# Altium PCB WX0.012.299PCB-4.2(4).PcbDoc (part 3 of 3)
Units mm, origin at the board's own origin, x right, y up, seen from the top; angles counter-clockwise.
Board outline 134.25 x 181.85 mm, 4 copper layers (Top Layer, GND, POWER, Bottom Layer), stack 0.778 mm thick; 242 components, 152 nets, 754 pads, 835 vias.
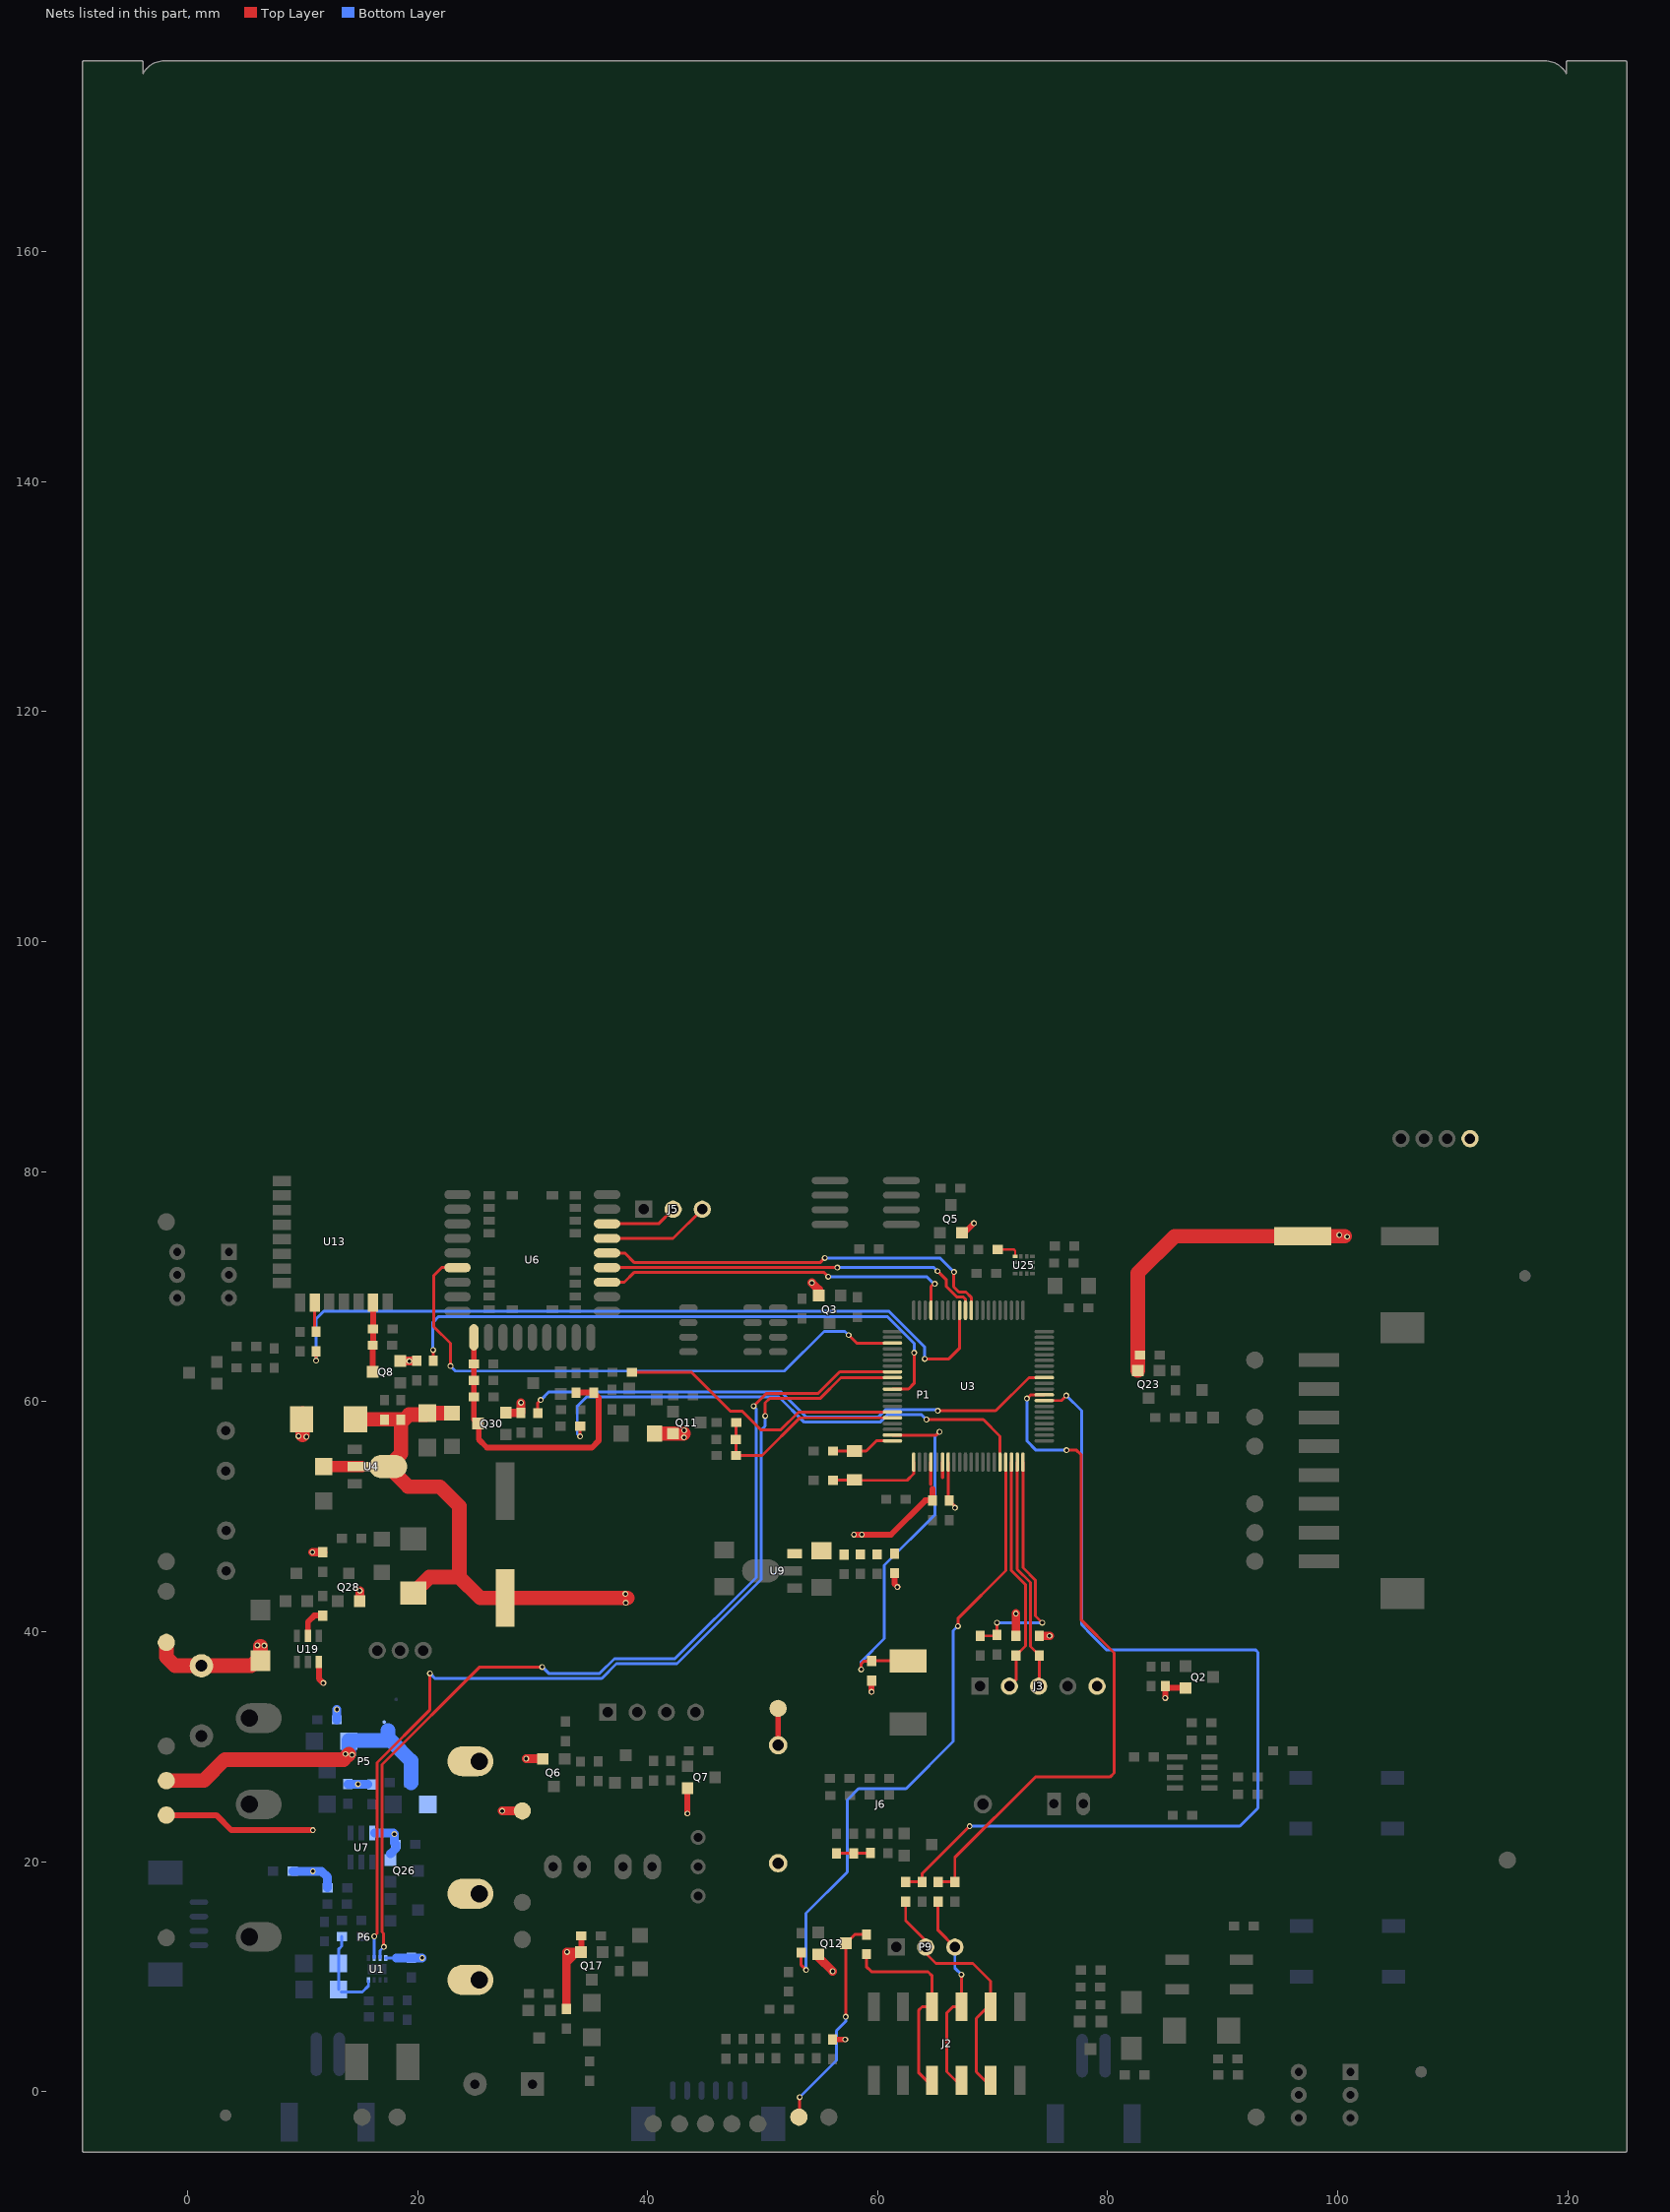
[diagram p5: the nets of this part, all layers, seen from the top]

## Via types
v1: diameter 0.508, hole 0.305, Top Layer to Bottom Layer, tented both sides, 835 vias

## Nets (pads, with @x,y where several pads share a name; then routed paths per layer and width w, separated by ;. In a path a pad name is that pad's centre, name@x,y a point inside that pad or via, vN(x,y) a via of type N, cw(c..) or ccw(c..) an arc to the next point about the centre after c; other vN are vias at no path point) (continued)
NetR33_1: R33.1 U3.32 | length 66.7
  Top Layer w0.254: v1(11.176,63.576) R33.1@11.176,64.389 ; v1(64.084,63.729) 66.19,63.729 67.133,64.671 U3.32@67.133,67.945 U3.32@67.118,67.96
  Bottom Layer w0.254: v1(11.176,63.576) 11.176,67.208 11.811,67.843 61.009,67.843 64.084,64.768 v1(64.084,63.729)
NetR56_2: R56.2 R57.1 R60.2 | length 2.9
  Top Layer w0.254: R56.2@56.416,20.726 R60.2@57.916,20.726 R57.1@59.36,20.726
NetR80_2: R80.2 R81.2 R82.2 U1.4 | length 7.7
  Bottom Layer w0.254: R81.2@13.132,8.89 13.132,12.37 13.411,12.649 R82.2@13.411,13.487 ; R81.2@13.358,8.663 15.191,8.663 15.735,9.207 U1.4@15.735,9.631
NetR99_2: R99.2 U19.2 | length 2.7
  Top Layer w0.508: U19.2@10.47,39.649 10.47,40.848 11.024,41.402 R99.2@11.76,41.402
NetR100_2: R100.2 U25.1 | length 2
  Top Layer w0.203: R100.2@70.447,73.228 71.844,73.228 71.958,73.115 U25.1@71.958,72.657
OPEN: U1.6 U3.49 | length 86.8
  Top Layer w0.254: v1(16.235,13.504) 16.485,13.753 16.485,28.625 21.077,33.217 v1(21.077,36.377) ; v1(50.216,58.75) 50.216,59.894 50.596,60.274 54.992,60.274 56.813,62.095 U3.49@61.283,62.095
  Bottom Layer w0.254: U1.6@16.235,11.618 v1(16.235,13.504) ; v1(21.077,36.377) 21.513,35.941 36.018,35.941 37.288,37.211 42.546,37.211 49.873,44.538 49.873,57.531 50.216,57.874 v1(50.216,58.75)
PGND: C67.1 C68.1 C69.2 C72.1 P6.2 P6.3 PGND.1 Q26.2 Q28.2 R120.1 R121.1 R122.1 U7.6 U19.6 | length 16
  Top Layer w0.508: U19.6@11.42,37.351 11.42,35.926 v1(11.811,35.535)
  Top Layer w0.762: v1(10.858,46.914) R121.1@11.76,46.914 ; Q28.2@14.971,42.666 v1(14.971,43.568) ; v1(27.356,24.409) PGND.1@29.108,24.409
  Bottom Layer w0.762: R122.1@9.144,19.168 v1@10.891,19.168 ; v1(10.897,19.168) 11.642,19.168 12.167,18.644 C69.2@12.167,17.729 ; C72.1@12.979,32.334 v1(12.979,33.236) ; C67.1@13.945,26.736 v1(14.821,26.736) C68.1@15.697,26.736 ; U7.6@16.281,22.504 17.882,22.504 v1(17.983,22.403) 17.983,21.641 R120.1@18.11,21.514 18.11,21.149 17.647,20.686
PWR_CTL: U3.43 U6.6@23.475,71.657 | length 51.3
  Top Layer w0.254: v1(22.86,63.094) 22.86,65.075 21.412,66.523 21.412,70.968 22.101,71.657 U6.6@23.475,71.657 ; v1(57.48,65.786) 58.171,65.095 U3.43@61.283,65.095
  Bottom Layer w0.254: v1(22.86,63.094) 23.292,62.662 51.892,62.662 55.347,66.116 57.15,66.116 v1(57.48,65.786)
RST: C33.2 R49.1 U3.80 | length 21.1
  Top Layer w0.254: R49.1@68.918,39.636 70.292,39.636 70.372,39.716 v1(70.372,40.779) ; U3.80@72.633,54.745 72.633,45.553 73.712,44.475 73.712,41.376 v1(74.309,40.779)
  Bottom Layer w0.254: v1(70.372,40.779) v1(74.309,40.779)
S+: C71.2 P5.1 P10.1 R117.1 R119.1 S+.1 | length 26.9
  Top Layer w1.27: S+.1@-1.841,27.047 1.418,27.047 3.251,28.88 13.564,28.88 14.024,29.34
  Bottom Layer w1.27: R119.1@14.021,30.48 14.021,30.277 14.024,30.274 14.024,29.34 ; R119.1@14.021,30.531 17.424,30.531 ; 17.424,31.42 17.424,30.531 ; C71.2@19.431,26.873 19.431,28.778 17.678,30.531 17.424,30.531
  other v1: 14.3,29.286 13.741,29.362
S_R: J5.2 U6.25@36.475,75.467 | length 6.3
  Top Layer w0.254: U6.25@36.475,75.467 40.948,75.467 J5.2@42.215,76.733
S_T: J5.3 U6.24@36.475,74.197 | length 9.3
  Top Layer w0.254: U6.24@36.475,74.197 42.218,74.197 J5.3@44.755,76.733
SLE_BUSY: U3.30 U6.23@36.475,72.927 | length 35.5
  Top Layer w0.254: U6.23@36.475,72.927 38.021,72.927 38.859,72.088 54.986,72.088 v1(55.397,72.5) ; v1(66.639,71.272) 66.599,71.232 66.599,69.992 67.058,69.532 67.681,69.532 68.133,69.08 U3.30@68.133,67.945
  Bottom Layer w0.254: v1(55.397,72.5) 65.411,72.5 v1(66.639,71.272)
SLE_DOUT: U3.31 U6.22@36.475,71.657 | length 33.6
  Top Layer w0.254: U6.22@36.475,71.657 v1(56.486,71.657) ; v1(65.207,71.349) 65.976,70.58 65.976,70.004 66.88,69.1 67.45,69.1 67.633,68.917 U3.31@67.633,67.945
  Bottom Layer w0.254: v1(56.486,71.657) 64.899,71.657 v1(65.207,71.349)
SLE_PWR: U3.37 U6.21@36.475,70.387 | length 31.6
  Top Layer w0.254: U6.21@36.475,70.387 37.976,70.387 38.814,71.225 55.353,71.225 v1(55.702,70.875) ; U3.37@64.633,67.945 64.633,70.018 v1@64.872,70.256
  Bottom Layer w0.254: v1(55.702,70.875) 64.253,70.875 v1@64.872,70.256
  other v1: 64.972,70.256
SLE_RST: R93.1 U3.76 | length 44.9
  Top Layer w0.254: v1(34.138,56.982) R93.1@34.138,57.871 ; v1(64.237,58.445) 69.19,58.445 70.633,57.002 U3.76@70.633,54.745
  Bottom Layer w0.254: v1(34.138,56.982) 33.884,57.236 33.884,59.611 34.698,60.426 51.41,60.426 53.618,58.217 60.214,58.217 60.855,58.857 63.825,58.857 v1(64.237,58.445)
SLEEP: U1.7 U3.48 | length 85
  Top Layer w0.254: v1@17.043,12.589 17.043,13.773 16.916,13.9 16.916,28.446 25.402,36.932 v1(30.836,36.932) ; v1(49.223,59.614) 50.315,60.706 54.813,60.706 56.703,62.595 U3.48@61.283,62.595
  Bottom Layer w0.254: U1.7@16.735,11.618 16.735,12.255 v1(17.069,12.589) ; v1(30.836,36.932) 31.394,36.373 35.839,36.373 37.109,37.643 42.367,37.643 49.441,44.717 49.441,59.395 v1(49.223,59.614)
STATE_BLE: R33.2 U13.10 | length 2.6
  Top Layer w0.254: U13.10@11.052,68.606 11.052,66.215 R33.2@11.176,66.091
SWCLK: J3.2 R39.2 U3.78 | length 20.6
  Top Layer w0.254: J3.2@71.451,35.254 72.023,35.826 72.023,37.934 72.848,38.759 72.848,44.094 71.633,45.309 U3.78@71.633,54.745
SWIO: J3.3 R40.2 U3.79 | length 20.2
  Top Layer w0.254: U3.79@72.133,54.745 72.133,45.419 73.28,44.272 73.28,38.709 74.055,37.934 J3.3@74.055,35.318
TEST_RXD0: J2.3 J2.4 P9.2 R103.1 | length 22
  Top Layer w0.254: R103.1@62.433,16.535 62.433,14.884 64.174,13.144 P9.2@64.174,12.572 64.174,12.052 65.075,11.151 68.275,11.151 69.82,9.606 69.82,7.615 68.58,6.375 68.58,1.717 J2.3@69.82,0.477
TEST_TXD0: J2.5 J2.6 P9.3 R101.1 | length 17.9
  Top Layer w0.254: R101.1@65.253,16.534 65.253,14.033 P9.3@66.714,12.572 ; J2.5@67.28,0.477 66.015,1.742 66.015,6.858 66.535,7.378 J2.6@67.28,7.378 ; J2.6@67.28,7.878 v1(67.28,10.181)
  Bottom Layer w0.254: P9.3@66.714,12.572 66.714,10.747 v1(67.28,10.181)
UMU_RXD0: C64.1 R103.2 U3.8 | length 86.1
  Top Layer w0.254: R103.2@62.433,18.237 63.869,18.237 C64.1@63.87,18.236 63.87,18.963 v1(67.996,23.089) ; U3.8@74.483,60.095 75.972,60.095 v1(76.404,60.527)
  Bottom Layer w0.254: v1(67.996,23.089) 91.493,23.089 93.066,24.662 93.066,38.201 92.863,38.404 79.91,38.404 78.258,40.056 ; v1(76.404,60.527) 77.725,59.206 77.725,40.623 78.258,40.089
UMU_TXD0: C66.1 R101.2 U3.9 | length 59.8
  Top Layer w0.254: R101.2@65.317,18.236 C66.1@66.714,18.236 66.714,20.369 73.7,27.356 80.188,27.356 80.556,27.724 80.556,38.162 77.673,41.045 77.673,55.397 77.292,55.778 v1(76.416,55.778) ; v1(72.975,60.273) 73.297,60.595 U3.9@74.483,60.595
  Bottom Layer w0.254: v1(72.975,60.273) 72.975,56.578 73.775,55.778 v1(76.416,55.778)
VCC: C11.1 C30.2 C49.2 C50.1 C52.1 C55.2 J3.5 P1.1 Q2.2 Q3.2 Q5.2 Q6.2 Q7.2 Q8.2 Q12.2 Q17.2 Q30.2 R14.1 R19.2 R35.1 R39.1 R40.1 R55.2 R87.2 R91.2 R97.1 R108.2 U1.8 U3.64 U3.66 U9.3 VCC.1 | length 57.3
  Top Layer w0.305: 64.633,52.8 U3.64@64.633,54.745 ; 65.633,53.441 U3.66@65.633,54.745
  Top Layer w0.508: VCC.1@-1.841,24.047 2.496,24.047 3.81,22.733 v1(10.897,22.733) ; Q17.2@34.239,12.183 R108.2@34.239,13.538 ; v1(43.466,24.186) Q7.2@43.466,26.389 ; R55.2@56.064,4.54 v1(57.182,4.54) ; v1(57.937,48.438) v1(58.623,48.438) 61.163,48.438 64.135,51.41 C30.2@64.77,51.41 64.77,52.424 ; v1(59.474,34.773) R97.1@59.474,35.738 ; Q5.2@67.321,74.694 67.544,74.694 v1(68.364,75.514) ; v1(85,34.238) R14.1@85,35.254 85.152,35.102 Q2.2@86.761,35.102
  Top Layer w0.762: Q8.2@18.497,63.536 v1(19.279,63.536) R35.1@19.928,63.536 ; Q30.2@27.673,59.023 R91.2@28.994,59.023 v1(28.994,59.912) ; v1(29.439,28.956) Q6.2@30.869,28.956 ; R19.2@32.944,7.188 v1@32.944,12.147 ; 32.974,11.288 Q17.2@33.833,12.147 ; v1(32.988,12.147) Q17.2@34.204,12.147 ; v1(54.28,70.333) 54.88,69.732 Q3.2@54.88,69.22 ; Q12.2@54.82,11.943 54.82,11.728 v1(56.083,10.465) ; R39.1@72.023,39.636 v1(72.023,41.568) ; R40.1@74.055,39.636 v1(74.944,39.636)
  Bottom Layer w0.254: U1.8@17.235,11.618 18.123,11.618 18.136,11.63
  Bottom Layer w0.762: 18.136,11.63 C11.1@19.456,11.63 v1(20.399,11.63)
VDD_BLE: C63.1 C65.1 Q8.3 U13.14 | length 6
  Top Layer w0.508: Q8.3@16.104,62.586 C63.1@16.104,64.922 ; C63.1@16.132,64.922 U13.14@16.132,68.606
VDD_BLE_CTL: R31.1 U3.51 | length 51.9
  Top Layer w0.254: R31.1@21.361,63.551 v1(21.361,64.491) ; U3.51@61.283,61.095 62.683,61.095 63.17,61.582 v1(63.17,64.262)
  Bottom Layer w0.254: v1@21.336,64.516 21.336,66.904 21.844,67.412 60.83,67.412 63.17,65.072 v1(63.17,64.262)
VDD_SLE: C81.1 C82.1 C83.1 Q30.3 R95.1 R96.1 U6.10@24.895,65.597 | length 25.4
  Top Layer w0.508: U6.10@24.895,65.597 C81.1@24.895,60.427 24.895,58.468 Q30.3@25.273,58.09 ; Q30.3@25.324,57.658 25.324,56.718 26.035,56.007 35.154,56.007 35.763,56.617 35.763,60.325 R96.1@35.306,60.782 R95.1@33.807,60.782
VDD_SLE_CTL: R92.1 U3.12 | length 47.7
  Top Layer w0.254: R92.1@30.455,59.004 30.455,59.893 v1(30.709,60.147) ; v1(65.227,59.207) 70.256,59.207 73.144,62.095 U3.12@74.483,62.095
  Bottom Layer w0.254: v1(30.709,60.147) 31.419,60.857 51.588,60.857 53.797,58.649 60.035,58.649 60.676,59.289 65.145,59.289 v1(65.227,59.207)
VIN: D10.2 D14.1 P2.1 Q11.2 TVS1.2 VIN.1 | length 15.4
  Top Layer w1.27: VIN.1@-1.841,39.064 -1.841,37.794 -1.079,37.032 P2.1@1.207,37.032 5.536,37.032 6.35,37.846 6.35,38.735 ; 9.994,57.121 D14.1@9.994,58.979 ; D10.2@40.596,57.226 Q11.2@42.217,57.226 43.106,57.226
  other v1: 6.68,38.786 6.071,38.811 43.157,56.896 10.338,56.947 9.652,56.998 43.182,57.506
VIN_ADC: C36.2 R67.2 R73.1 U3.56 | length 17.8
  Top Layer w0.254: C36.2@47.689,55.319 C36.2@47.701,55.319 ; R67.2@47.701,58.191 C36.2@47.701,55.319 ; U3.56@61.283,58.595 53.225,58.595 49.948,55.319 C36.2@47.701,55.319
VIN_CHECK_EN: R74.1 U3.55 | length 25.4
  Top Layer w0.254: R74.1@38.646,62.56 43.815,62.56 47.193,59.182 48.222,59.182 49.873,57.531 51.55,57.531 53.114,59.095 U3.55@61.283,59.095
VIN_NB: C23.1 C75.1 C77.1 C102.1 D14.2 D15.2 D41.2 Q23.2 R42.1 R85.1 R105.1 U4.2 | length 77.9
  Top Layer w1.016: R42.1@11.836,54.356 U4.2@15.178,54.356
  Top Layer w1.27: D14.2@14.605,58.471 C102.1@18.542,58.471 ; D15.2@19.634,43.358 21.031,44.755 23.622,44.755 ; D41.2@22.987,59.009 20.858,59.009 R105.1@20.853,59.004 20.714,58.864 19.24,58.864 18.555,58.179 18.555,55.468 U4.2@17.443,54.356 19.196,52.603 21.946,52.603 23.622,50.927 23.622,44.755 ; 38.252,42.924 C75.1@27.61,42.924 25.453,42.924 23.622,44.755 ; Q23.2@82.606,62.704 82.606,71.176 85.827,74.397 C77.1@96.95,74.397 v1@100.609,74.397
  other v1: 38.1,42.52 38.075,43.282 100.813,74.346 100.127,74.498
VRTC: C78.1 J6.1 R87.1 U3.67 VRTC.1 | length 8.7
  Top Layer w0.254: C78.1@66.133,51.359 U3.67@66.133,54.745 ; C78.1@66.218,51.397 66.726,50.889 v1(66.726,50.775)
  Top Layer w0.508: J6.1@51.345,30.13 VRTC.1@51.345,33.325 ; R87.1@61.468,45.089 61.468,44.145 v1(61.722,43.891)
WAKE: Q12.3 R104.2 WAKE.1 | length 18.9
  Top Layer w0.254: WAKE.1@53.15,-2.211 53.213,-2.148 v1(53.213,-0.483) ; v1(57.22,6.521) Q12.3@57.22,12.893 57.992,13.664 R104.2@59.017,13.664
  Bottom Layer w0.254: v1(53.213,-0.483) 56.42,2.724 56.42,5.302 57.22,6.103 v1(57.22,6.521)
WAKE_1: J2.7 J2.8 R104.1 | length 17.7
  Top Layer w0.254: R104.1@59.017,11.962 59.017,10.87 59.475,10.413 64.39,10.413 64.74,10.063 J2.8@64.74,7.878 ; J2.7@64.74,0.477 63.551,1.666 63.551,7.061 63.868,7.378 J2.8@64.74,7.378
WAKE_UP: R3.1 U3.77 | length 55.4
  Top Layer w0.254: R3.1@53.353,12.095 53.353,11.01 v1(53.772,10.592) ; v1(66.98,40.488) 66.98,41.143 71.133,45.296 U3.77@71.133,54.745
  Bottom Layer w0.254: v1(53.772,10.592) 53.772,15.519 57.353,19.101 57.353,25.367 58.326,26.34 62.466,26.34 66.573,30.447 66.573,40.081 v1(66.98,40.488)
X1: R97.2 S3.1 U3.59 | length 32.3
  Top Layer w0.254: v1(58.573,36.716) 58.573,37.224 58.788,37.44 R97.2@59.474,37.44 ; R97.2@59.499,37.465 S3.1@62.649,37.465 ; U3.59@61.283,57.095 65.084,57.095 v1(65.367,57.379)
  Bottom Layer w0.254: v1(58.573,36.716) 58.573,37.388 60.579,39.394 60.579,45.77 64.999,50.189 64.999,57.01 v1(65.367,57.379)
XT1: C22.2 U3.61 Y1.2 | length 8.3
  Top Layer w0.254: C22.2@56.162,53.201 Y1.2@57.989,53.201 57.989,53.161 62.561,53.161 63.133,53.733 U3.61@63.133,54.745
XT2: C20.2 U3.60 Y1.1 | length 5.5
  Top Layer w0.254: C20.2@56.122,55.701 Y1.1@57.989,55.701 59.003,55.701 59.897,56.595 U3.60@61.283,56.595
pads on no net: J1.3 J1.4 J2.1 J2.2 J4.7 J4.8 J11.1 MARK1.0 MARK1.1 MARK2.0 MARK2.1 MARK3.0 MARK3.1 P1.8 P3.3 P3.4 S1.3 S1.4 S1.5 S1.6 S2.1 S2.2 S2.3 S2.4 U3.10 U3.11 U3.17 U3.18 U3.20 U5.2 U5.4 U5.5 U6.1 U6.2@23.875,76.737 U6.2@35.525,79.047 U6.3 U6.4 U6.5 U6.6@23.875,71.657 U6.7 U6.8 U6.9 U6.10@24.895,65.997 U6.11@26.165,65.997 U6.12@27.435,65.997 U6.13 U6.14 U6.15 U6.16 U6.17@33.785,65.997 U6.18@35.055,65.997 U6.19 U6.20 U6.21@36.075,70.387 U6.22@36.075,71.657 U6.23@36.075,72.927 U6.24@36.075,74.197 U6.25@36.075,75.467 U6.26@36.075,76.737 U6.27 U6.28 U6.32 U6.34 U6.35 U6.36 U6.37 U6.39 U6.40 U6.41 U6.42 U6.43 U6.44 U6.45 U6.46 U6.47 U13.2 U13.3 U13.4 U13.5 U13.6 U13.7 U13.12 U13.13 U14.4 U14.7 U19.4 U25.4 U25.6 U25.10 U25.11

## Polygon pours and split planes (outlines as drawn)
GND on Top Layer "Top Layer-No Net" (solid, remove dead copper, pour order 19): -9,-5.259 -4,-5.259 ccw(c-4,-5.132) -3.997,-5.259 ccw(c-4,-5.132) -3.997,-5.259 -3.998,-5.259 cw(c-4,-5.132) -4,-5.259 120,-5.259 125,-5.259 ccw(c125,-5.132) 125.127,-5.132 ccw(c125,-5.132) 125.127,-5.132 125.127,176.468 ccw(c125,176.468) 124.998,176.596 120.003,176.596 ccw(c120,176.468) 119.91,176.558 ccw(c120,176.468) 119.873,176.465 119.873,175.478 ccw(c118,174.468) 118,176.596 -2,176.596 ccw(c-2,174.468) -3.873,175.478 -3.873,176.468 ccw(c-4,176.468) -4,176.596 -8.998,176.596 ccw(c-9,176.468) -9.127,176.468 -9.127,-5.132 cw(c-9.026,-5.132) -9.127,-5.132 ccw(c-9,-5.132)
GND on Bottom Layer "Top Layer-No Net1" (solid, remove dead copper, pour order 20): -9,-5.259 -4,-5.259 ccw(c-4,-5.132) -3.997,-5.259 ccw(c-4,-5.132) -3.997,-5.259 -3.998,-5.259 cw(c-4,-5.132) -4,-5.259 120,-5.259 125,-5.259 ccw(c125,-5.132) 125.127,-5.132 ccw(c125,-5.132) 125.127,-5.132 125.127,176.468 ccw(c125,176.468) 124.998,176.596 120.003,176.596 ccw(c120,176.468) 119.91,176.558 ccw(c120,176.468) 119.873,176.465 119.873,175.478 ccw(c118,174.468) 118,176.596 -2,176.596 ccw(c-2,174.468) -3.873,175.478 -3.873,176.468 ccw(c-4,176.468) -4,176.596 -8.998,176.596 ccw(c-9,176.468) -9.127,176.468 -9.127,-5.132 cw(c-9.026,-5.132) -9.127,-5.132 ccw(c-9,-5.132)
no net on GND (split plane): 27.963,39.543 27.963,9.479 26.132,7.648 5.389,7.648 3.965,9.072 3.965,33.447 7.471,36.954 7.512,37.007 7.537,37.068 7.546,37.135 7.546,43.637 7.546,45.309 9.758,47.521 19.985,47.521
GND on GND (split plane): 118.325,176.056 118.535,175.998 118.735,175.912 118.922,175.801 119.093,175.665 119.243,175.508 119.372,175.331 119.423,175.235 119.437,175.215 119.448,175.194 119.465,175.174 119.479,175.152 119.496,175.135 119.512,175.117 119.532,175.1 119.55,175.082 119.57,175.069 119.589,175.053 119.612,175.041 119.634,175.027 119.656,175.017 119.677,175.006 119.702,174.998 119.726,174.989 119.75,174.984 119.773,174.977 119.799,174.974 119.824,174.969 119.849,174.97 119.873,174.967 119.899,174.97 119.925,174.97 119.948,174.975 119.972,174.977 119.997,174.985 120.023,174.99 120.045,174.999 120.068,175.006 120.091,175.018 120.115,175.028 120.135,175.042 120.156,175.053 120.176,175.07 120.198,175.084 120.215,175.101 120.234,175.117 120.25,175.137 120.268,175.155 120.282,175.175 120.297,175.194 120.309,175.217 120.324,175.239 120.333,175.261 120.344,175.282 120.352,175.307 120.362,175.331 120.366,175.355 120.373,175.378 120.376,175.404 120.381,175.429 120.381,175.454 120.383,175.478 120.383,176.085 124.617,176.085 124.617,-4.749 120,-4.749 -4,-4.749 -8.617,-4.749 -8.617,176.085 -4.383,176.085 -4.383,175.478 -4.381,175.454 -4.381,175.429 -4.376,175.404 -4.373,175.378 -4.366,175.355 -4.362,175.331 -4.352,175.307 -4.344,175.282 -4.333,175.261 -4.324,175.239 -4.309,175.217 -4.297,175.194 -4.282,175.175 -4.268,175.155 -4.25,175.137 -4.234,175.117 -4.215,175.101 -4.198,175.084 -4.176,175.07 -4.156,175.053 -4.135,175.042 -4.115,175.028 -4.091,175.018 -4.068,175.006 -4.045,174.999 -4.023,174.99 -3.997,174.985 -3.972,174.977 -3.948,174.975 -3.924,174.97 -3.898,174.97 -3.873,174.967 -3.849,174.97 -3.824,174.97 -3.799,174.974 -3.773,174.977 -3.75,174.984 -3.726,174.989 -3.702,174.999 -3.677,175.006 -3.656,175.017 -3.634,175.027 -3.612,175.041 -3.589,175.053 -3.57,175.069 -3.55,175.082 -3.532,175.1 -3.512,175.117 -3.496,175.135 -3.479,175.152 -3.465,175.174 -3.448,175.194 -3.437,175.215 -3.423,175.235 -3.372,175.331 -3.243,175.508 -3.093,175.665 -2.922,175.801 -2.735,175.912 -2.535,175.998 -2.325,176.056 -2.109,176.085 118.109,176.085
no net on POWER (split plane): 101.42,77.186 101.42,73.842 99.792,72.214 77.228,72.214 77.228,75.371 77.219,75.438 77.193,75.499 77.153,75.552 76.425,76.28 76.372,76.32 76.311,76.346 76.244,76.355 70.49,76.355 70.057,76.788 70.003,76.828 69.942,76.854 69.875,76.863 58.547,76.863 58.481,76.854 58.419,76.828 58.366,76.788 52.778,71.2 52.737,71.146 52.712,71.085 52.703,71.018 52.703,52.654 52.703,45.877 45.868,39.042 38.536,39.042 37.493,40.086 37.493,43.785 38.714,45.007 44.577,45.007 44.643,45.015 44.705,45.041 44.758,45.082 48.187,48.511 48.228,48.564 48.243,48.6 48.253,48.625 48.262,48.692 48.262,72.919 55.097,79.754 98.852,79.754
no net on POWER (split plane): 96.823,63.749 96.823,61.142 96.007,60.327 87.033,60.327 86.967,60.318 86.905,60.293 86.852,60.252 84.971,58.371 83.113,58.371 82.298,59.187 82.298,61.235 86.034,64.971 95.601,64.971
no net on POWER (split plane): 76.715,75.265 76.715,72.026 76.715,72.025 76.706,71.958 76.715,71.892 76.715,71.89 76.715,68.356 73.136,64.777 73.095,64.724 73.07,64.662 73.061,64.595 73.061,49.713 73.044,49.673 73.035,49.606 73.044,49.54 73.07,49.478 73.11,49.425 76.057,46.479 76.11,46.438 76.128,46.43 76.172,46.412 76.238,46.404 89.073,46.404 92.733,42.744 92.733,35.971 91.943,35.181 88.244,35.181 87.467,35.958 87.467,41.072 87.458,41.138 87.433,41.2 87.392,41.253 85.766,42.879 85.713,42.919 85.652,42.945 85.585,42.954 77.432,42.954 77.365,42.945 77.323,42.927 70.363,42.927 68.049,45.241 68.049,65.099 68.049,67.461 68.049,67.97 68.04,68.036 68.028,68.067 68.015,68.098 67.974,68.151 67.16,68.966 67.16,72.512 70.49,75.842 76.138,75.842
no net on POWER (split plane): 174 vertices, not listed, extent 9.896,2.822 112.635,83.944
no net on POWER (split plane): 67.537,45.135 67.537,44.658 53.819,30.941 53.779,30.887 53.753,30.826 53.744,30.759 53.744,20.248 52.167,18.671 50.474,18.671 49.304,19.842 49.304,34.692 67.537,52.925
no net on POWER (split plane): 44.473,57.603 44.473,55.021 42.617,53.164 29.82,53.164 29.753,53.156 29.692,53.13 29.638,53.089 27.276,50.727 27.236,50.674 27.21,50.612 27.201,50.546 27.201,45.496 21.662,39.956 13.741,39.956 13.675,39.948 13.613,39.922 13.56,39.881 9.555,35.876 9.531,35.866 6.203,35.866 5.146,36.923 5.146,38.531 5.146,41.004 6.379,42.237 8.514,44.372 20.142,44.372 20.209,44.38 20.27,44.406 20.323,44.447 23.397,47.52 23.437,47.573 23.452,47.609 23.463,47.635 23.472,47.701 23.472,50.521 23.463,50.587 23.437,50.649 23.397,50.702 21.873,52.226 21.82,52.266 21.758,52.292 21.692,52.301 8.818,52.301 8.156,52.964 8.156,57.171 9.149,58.164 43.912,58.164
no net on POWER (split plane): 32.942,43.82 22.805,33.683 9.896,33.683 9.896,35.492 13.848,39.444 21.768,39.444 21.834,39.453 21.896,39.478 21.949,39.519 27.639,45.209 27.679,45.262 27.694,45.298 27.705,45.323 27.714,45.39 27.714,50.44 29.926,52.652 32.942,52.652
GND on POWER (split plane): 118.325,176.056 118.535,175.998 118.735,175.912 118.922,175.801 119.093,175.665 119.243,175.508 119.372,175.331 119.423,175.235 119.437,175.215 119.448,175.194 119.465,175.174 119.479,175.152 119.496,175.135 119.512,175.117 119.532,175.1 119.55,175.082 119.57,175.069 119.589,175.053 119.612,175.041 119.634,175.027 119.656,175.017 119.677,175.006 119.702,174.998 119.726,174.989 119.75,174.984 119.773,174.977 119.799,174.974 119.824,174.969 119.849,174.97 119.873,174.967 119.899,174.97 119.925,174.97 119.948,174.975 119.972,174.977 119.997,174.985 120.023,174.99 120.045,174.999 120.068,175.006 120.091,175.018 120.115,175.028 120.135,175.042 120.156,175.053 120.176,175.07 120.198,175.084 120.215,175.101 120.234,175.117 120.25,175.137 120.268,175.155 120.282,175.175 120.297,175.194 120.309,175.217 120.324,175.239 120.333,175.261 120.344,175.282 120.352,175.307 120.362,175.331 120.366,175.355 120.373,175.378 120.376,175.404 120.381,175.429 120.381,175.454 120.383,175.478 120.383,176.085 124.617,176.085 124.617,-4.749 120,-4.749 -4,-4.749 -8.617,-4.749 -8.617,176.085 -4.383,176.085 -4.383,175.478 -4.381,175.454 -4.381,175.429 -4.376,175.404 -4.373,175.378 -4.366,175.355 -4.362,175.331 -4.352,175.307 -4.344,175.282 -4.333,175.261 -4.324,175.239 -4.309,175.217 -4.297,175.194 -4.282,175.175 -4.268,175.155 -4.25,175.137 -4.234,175.117 -4.215,175.101 -4.198,175.084 -4.176,175.07 -4.156,175.053 -4.135,175.042 -4.115,175.028 -4.091,175.018 -4.068,175.006 -4.045,174.999 -4.023,174.99 -3.997,174.985 -3.972,174.977 -3.948,174.975 -3.924,174.97 -3.898,174.97 -3.873,174.967 -3.849,174.97 -3.824,174.97 -3.799,174.974 -3.773,174.977 -3.75,174.984 -3.726,174.989 -3.702,174.999 -3.677,175.006 -3.656,175.017 -3.634,175.027 -3.612,175.041 -3.589,175.053 -3.57,175.069 -3.55,175.082 -3.532,175.1 -3.512,175.117 -3.496,175.135 -3.479,175.152 -3.465,175.174 -3.448,175.194 -3.437,175.215 -3.423,175.235 -3.372,175.331 -3.243,175.508 -3.093,175.665 -2.922,175.801 -2.735,175.912 -2.535,175.998 -2.325,176.056 -2.109,176.085 118.109,176.085
no net on POWER (split plane): 22.959,50.414 22.959,47.807 20.036,44.884 8.407,44.884 8.341,44.875 8.279,44.85 8.226,44.809 6.016,42.599 4.709,41.292 4.668,41.239 4.643,41.177 4.634,41.11 4.634,38.531 4.634,36.817 4.643,36.75 4.668,36.689 4.709,36.636 5.916,35.429 5.969,35.388 6.013,35.37 6.031,35.362 6.097,35.354 9.384,35.354 9.384,10.147 9.392,10.08 9.418,10.019 9.459,9.966 10.817,8.607 10.87,8.567 10.932,8.541 10.998,8.532 21.41,8.532 21.41,4.983 20.29,3.863 4.272,3.863 -0.328,8.463 -0.328,48.89 2.57,51.788 21.585,51.788

## Keep-outs
Keep-Out Layer:
  circle w0.254: c41.502,96.6 r2.1
  circle w0.254: c81.95,110.218 r2.5
  circle w0.254: c0,172.468 r1.5
  circle w0.254: c0,91.6 r1.5
  circle w0.254: c111.502,91.6 r1.5
  circle w0.254: c116,172.468 r1.5
  circle w0.254: c41.502,5 r2.1
  circle w0.254: c81.95,18.618 r2.5
  circle w0.254: c0,80.868 r1.5
  circle w0.254: c0,0 r1.5
  circle w0.254: c111.502,0 r1.5
  circle w0.254: c116,80.868 r1.5
  circle w0.254: c41.502,5 r2.1
  circle w0.254: c81.95,18.618 r2.5
  circle w0.254: c0,80.868 r1.5
  circle w0.254: c0,0 r1.5
  circle w0.254: c111.502,0 r1.5
  circle w0.254: c116,80.868 r1.5
  circle w0.127: c1.349,62.52 r0.3
  lines w0.254: 118,86.468 -4,86.468 ; -4,-5.132 -9,-5.132 -9,176.468 -4,176.468 -4,-5.132 ; -4,-5.132 -4,82.868 ; -4,-5.132 120,-5.132 ; -4,-5.132 -4,82.868 ; -4,-5.132 120,-5.132 ; -4,82.868 cw(c-2,82.868) -2,84.868 ; -4,82.868 cw(c-2,82.868) -2,84.868 ; -4,86.468 -4,174.468 cw(c-2,174.468) -2,176.468 118,176.468 cw(c118,174.468) 120,174.468 120,112.718 119.65,112.718 ccw(c119.65,110.218) 119.65,107.718 120,107.718 120,86.468 -4,86.468 ; -2,84.868 118,84.868 ; -2,84.868 118,84.868 ; 118,84.868 cw(c118,82.868) 120,82.868 ; 118,84.868 cw(c118,82.868) 120,82.868 ; 119.65,16.118 cw(c119.65,18.618) 119.65,21.118 ; 119.65,16.118 cw(c119.65,18.618) 119.65,21.118 ; 119.65,16.118 120,16.118 ; 119.65,16.118 120,16.118 ; 119.65,21.118 120,21.118 ; 119.65,21.118 120,21.118 ; 120,-5.132 125,-5.132 125,176.468 120,176.468 120,-5.132 ; 120,-5.132 120,16.118 ; 120,-5.132 120,16.118 ; 120,21.118 120,82.868 ; 120,21.118 120,82.868

## Other copper
Top Layer:
  region net 5V: 20.777,50.952 14.656,50.952 14.656,46.992 20.777,46.992
  region net NetQ28_3: 8.661,45.669 8.661,44.399 14.707,44.399 14.707,45.669
  region net NB_VIN1: 84.775,59.422 84.775,61.2 83.023,61.2 83.023,59.422
  region net NB_VIN1: 96.596,60.242 100.66,60.242 100.66,63.881 100.057,64.484 94.898,64.484 94.572,64.159 94.572,63.498 94.871,63.2 95.669,63.2 96.596,62.273
  pour cut-out: 2.819,84.861 2.819,79.697 42.887,79.697 42.887,84.861
  region net NetC18_1: 52.147,68.401 52.655,68.401 53.29,67.766 56.338,67.766 56.465,67.639 56.465,66.369 56.338,66.242 52.528,66.242 52.147,66.623
  region net VCC: 64.681,53.657 65.634,53.657 65.786,53.505 65.786,52.654 65.456,52.324 64.592,52.324 64.465,52.451 64.465,53.442
  region net VCC: 52.919,46.26 59.498,46.26 61.86,46.261 61.987,46.387 61.987,48.902 61.682,48.902 57.949,48.902 56.831,47.784 53.388,47.784 52.767,47.163 52.767,46.413
Bottom Layer:
  region net 5V: 21.449,8.686 18.644,8.686 18.644,7.341 21.449,7.341
  region net NetQ26_3: 20.65,21.996 19.38,21.996 19.38,15.291 20.65,15.291
  rectangle net NetP5_2: 4.343,11.989 8.077,33.757
  region net NetD41_1: 17.539,34.023 18.313,34.023 18.313,35.636 18.136,35.814 17.45,35.814 17.221,35.585 17.221,34.341
  region net S+: 16.739,32.007 16.922,32.19 17.695,32.19 18.085,31.801 18.085,30.629 17.882,30.426 15.899,30.426 15.899,31.167
  pour cut-out: 2.819,84.861 2.819,79.697 42.887,79.697 42.887,84.861
  region net NetP5_2: 12.929,28.753 12.929,27.178 8.585,27.178 6.286,24.879 6.274,27.076 7.95,28.753 8.382,28.753
  region net NetC72_2: 11.777,34.604 10.677,35.704 10.218,35.704 10.218,30.599 10.643,30.175 11.796,30.175
  region net NetC68_2: 18.194,24.172 16.425,24.172 15.325,23.072 14.867,23.072 14.867,25.314 15.325,25.772 18.194,25.772
  region net NetC67_2: 10.94,24.223 12.861,24.223 13.961,23.123 14.42,23.123 14.42,25.364 13.961,25.823 10.94,25.823
  pour cut-out: 16.459,19.465 16.459,23.063 13.715,23.063 13.715,19.465
  region net PGND: 17.145,19.634 17.145,21.539 16.536,22.148 16.536,22.885 18.11,22.885 18.567,22.428 18.567,19.634
  region net S+: 19.73,28.32 21.844,26.206 21.844,24.105 20.21,24.105 20.015,24.299 20.015,25.298 18.796,26.518 18.796,28.32 19.478,28.32
  region net S+: 21.844,24.105 22.11,24.105 26.137,28.131 26.137,29.626 24.816,29.626 22.749,27.559 20.434,27.559 19.723,27.559 19.444,27.28 19.444,26.556
GND (plane layer: these items are gaps in the copper):
  pour cut-out: 2.819,84.861 2.819,79.697 42.887,79.697 42.887,84.861
  lines w0.508: 3.708,8.966 5.283,7.391 26.238,7.391 28.219,9.373 28.219,39.649 20.091,47.777 9.652,47.777 7.29,45.415 7.29,43.637 7.29,37.135 3.708,33.553 3.708,8.966
POWER (plane layer: these items are gaps in the copper):
  pour cut-out: 2.819,84.861 2.819,79.697 42.887,79.697 42.887,84.861
  lines w0.508: 8.712,52.045 7.899,52.857 7.899,57.277 9.042,58.42 44.018,58.42 44.729,57.709 44.729,54.915 42.723,52.908 29.82,52.908 27.457,50.546 27.457,45.39 21.768,39.7 13.741,39.7 9.651,35.61 6.097,35.61 4.89,36.817 4.89,38.531 4.89,41.11 6.198,42.418 8.407,44.628 20.142,44.628 23.216,47.701 23.216,50.521 21.692,52.045 5.613,52.045 2.464,52.045 -0.584,48.997 -0.584,8.357 4.166,3.607 20.396,3.607 21.666,4.877 21.666,8.788 ; 9.64,33.426 22.911,33.426 33.198,43.713 33.198,52.832 ; 9.64,35.636 9.64,10.147 10.998,8.788 21.666,8.788 ; 21.031,58.496 17.272,62.255 17.272,64.341 18.999,66.069 19.987,67.056 40.488,67.056 44.399,70.968 44.399,75.616 52.983,84.2 111.468,84.2 112.256,84.2 112.891,83.565 112.891,81.99 110.911,80.01 71.552,80.01 54.991,80.01 48.006,73.025 48.006,48.692 44.577,45.263 38.608,45.263 37.236,43.891 37.236,39.98 38.43,38.786 45.974,38.786 52.959,45.771 52.959,52.654 52.959,71.018 58.547,76.606 69.875,76.606 70.383,76.098 ; 22.123,9.296 22.377,9.55 23.647,9.55 27.483,9.55 45.136,9.55 45.72,8.966 ; 22.403,9.525 21.666,8.788 ; 45.708,8.966 45.708,4.533 47.676,2.565 50.317,2.565 62.611,2.565 64.44,4.394 64.44,9.779 64.44,24.13 70.993,30.683 85.776,30.683 88.138,33.045 88.138,34.925 ; 67.793,53.543 49.047,34.798 49.047,19.736 50.368,18.415 52.273,18.415 54,20.142 54,30.759 67.793,44.552 67.793,45.135 ; 73.292,49.606 76.238,46.66 89.179,46.66 92.989,42.85 92.989,35.865 92.05,34.925 88.138,34.925 ; 73.317,49.632 73.317,64.595 76.971,68.25 76.971,75.371 76.244,76.098 70.383,76.098 ; 76.962,71.958 99.898,71.958 101.676,73.736 101.676,77.292 98.958,80.01 97.231,80.01 ; 77.432,42.697 85.585,42.697 87.211,41.072 87.211,35.852 88.138,34.925 ; 77.674,42.671 70.257,42.671 67.793,45.135 ; 67.793,45.135 67.793,65.099 67.793,67.461 67.793,67.97 66.904,68.859 66.904,72.619 70.383,76.098 ; 82.042,59.08 83.007,58.115 85.078,58.115 87.033,60.071 96.114,60.071 97.079,61.036 97.079,63.856 95.707,65.227 85.928,65.227 82.042,61.341 82.042,59.08
Multi-Layer:
  pour cut-out: 2.819,84.861 2.819,79.697 42.875,79.697 42.875,84.861

## Silkscreen, mask and mechanical layers (free items; w line width, h text height)
Top Overlay:
  circle w0.178: c75.215,54.05 r0.381
  lines w0.152: 18.923,57.531 19.38,57.074 19.38,54.889 ; 35.839,63.373 35.839,64.033 37.338,65.532 40.767,65.532 41.224,65.989 41.224,68.174
  text "V" at 111.189,80.72 h0.86
  text "G" at 39.573,74.371 h0.86
  text "R" at 42.062,74.371 h0.86
  text "T" at 44.578,74.345 h0.86
  text "G" at 43.891,34.519 h0.86
  text "R" at 40.971,34.492 h0.86
  text "T" at 38.355,34.467 h0.86
  text "G" at 61.405,13.69 h0.86
  text "T" at 66.472,13.614 h0.86
  text "R" at 63.83,13.564 h0.86
  text "计量板接口" at 57.366,-4.04 h2.54
Bottom Overlay:
  lines w1.016: 117.804,83.481 ccw(c118.174,83.133) 117.811,83.488
  text "V" at 111.443,80.72 h0.86
  text "+" at 5.334,35.941 h2.54
  text "WX0.012.299PCB-4.2" at 115.621,35.179 h2.54
  text "102010403-0xxx" at 115.621,33.299 h2.54
  text "C" at 71.73,32.944 h0.86
  text "I" at 74.041,32.893 h0.86
  text "G" at 76.708,32.893 h0.86
  text "R" at 69.545,32.868 h0.86
  text "V" at 79.35,32.868 h0.86
  text "调试口" at 34.823,32.41 h2.54
  text "UWLWn-P58" at 115.621,31.394 h2.54
  text "烧录口" at 78.105,30.632 h2.54
  text "T" at 38.609,30.352 h0.86
  text "R" at 41.403,30.352 h0.86
  text "G" at 44.07,30.352 h0.86
  text "2025-11-28" at 115.618,29.515 h2.54
  text "-" at 5.461,29.108 h2.54
  text "V1" at 115.621,27.584 h2.54
  text "电源" at 3.429,26.34 h2.54
  text "白" at 32.449,23.316 h2.54
  text "黑" at 38.926,23.316 h2.54
  text "四线阀门" at 2.515,14.681 h2.54 r270
  text "G" at 62.2,10.206 h0.86
  text "T" at 67.31,10.185 h0.86
  text "R" at 64.541,10.16 h0.86
  text "119接口" at 83.363,6.452 h2.54
  text "二线阀门" at 7.163,2.413 h2.54
  text "IC卡" at 51.435,1.854 h2.54
  text "计量板接口" at 70.561,-0.762 h2.54
Mechanical 1:
  circle w0.254: c100.8,12.168 r1.549
  circle w0.254: c100.8,12.168 r1.549
  circle w0.254: c100.8,25.118 r1.549
  circle w0.254: c100.8,25.118 r1.549
  circle w0.254: c33,19.618 r2.5
  circle w0.254: c39,19.618 r2.5
  circle w0.254: c76.5,25.118 r1.5
  circle w0.013: c41.502,5 r2.1
  circle w0.013: c111.5,-0.002 r1.5
  circle w0.013: c0,80.868 r1.5
  circle w0.013: c0,-0.002 r1.5
  circle w0.013: c116,80.868 r1.5
  circle w0.013: c1.349,62.52 r1
  lines w0.013: -4,-5.132 120,-5.132 120,82.868 ccw(c118,82.868) 118,84.868 -2,84.868 ccw(c-2,82.868) -4,82.868 -4,-5.132 ; -4,8.741 0.61,8.741 0.61,20.441 -4,20.441 -4,8.741
  lines w0.127: -4,82.868 -4,-5.132 120,-5.132
  lines w0.254: 95.698,15.07 97.803,15.07 95.698,15.07 95.698,13.667 ; 99.544,12.168 102.057,12.168 ; 99.544,25.118 102.057,25.118 ; 100.8,11.031 100.8,13.305 ; 100.8,23.981 100.8,26.255 ; 103.797,26.617 105.902,26.617 105.902,28.02 ; 103.797,26.617 105.902,26.617 ; 120,42.868 115,37.868 24.5,37.868 24.5,36.868 13,36.868 8,41.868 8,78.368 13,83.368 103.5,83.368 103.5,84.368 115,84.368 120,79.368 ; 95.698,9.267 95.698,10.67 ; 95.698,9.267 97.803,9.267 95.698,9.267 ; 95.698,10.67 97.803,10.67 95.698,10.67 ; 95.698,13.667 97.803,13.667 95.698,13.667 ; 95.698,22.217 95.698,23.62 ; 95.698,22.217 97.803,22.217 95.698,22.217 ; 95.698,23.62 97.803,23.62 95.698,23.62 ; 95.698,26.617 95.698,28.02 ; 95.698,26.617 97.803,26.617 95.698,26.617 ; 95.698,28.02 97.803,28.02 95.698,28.02 ; 97.803,9.171 97.803,15.165 ; 97.803,9.171 103.797,9.171 ; 97.803,9.171 97.803,15.165 ; 97.803,9.171 103.797,9.171 ; 97.803,15.165 103.797,15.165 ; 97.803,15.165 103.797,15.165 ; 97.803,22.121 97.803,28.115 ; 97.803,22.121 103.797,22.121 ; 97.803,22.121 97.803,28.115 ; 97.803,22.121 103.797,22.121 ; 97.803,28.115 103.797,28.115 ; 97.803,28.115 103.797,28.115 ; 103.797,9.171 103.797,15.165 ; 103.797,9.171 103.797,15.165 ; 103.797,22.121 103.797,28.115 ; 103.797,22.121 103.797,28.115 ; 105.902,9.267 105.902,10.67 ; 105.902,9.267 103.797,9.267 105.902,9.267 ; 105.902,10.67 103.797,10.67 105.902,10.67 ; 105.902,13.667 105.902,15.07 ; 105.902,13.667 103.797,13.667 105.902,13.667 ; 105.902,15.07 103.797,15.07 105.902,15.07 ; 105.902,22.217 105.902,23.62 ; 105.902,22.217 103.797,22.217 105.902,22.217 ; 105.902,23.62 103.797,23.62 105.902,23.62 ; 105.902,28.02 103.797,28.02 105.902,28.02 ; 8.75,45.618 8.75,75.618 12.75,79.618 115.25,79.618 119.25,75.618 119.25,45.618 115.25,41.618 12.75,41.618 8.75,45.618 ; 13,38.968 13,82.268 27.5,82.268 27.5,82.618 100.5,82.618 100.5,82.268 115,82.268 115,63.618 cw(c107.8,60.618) 115,57.618 115,38.968 100.5,38.968 100.5,38.618 27.5,38.618 27.5,38.968 13,38.968 ; 97.8,9.168 97.8,15.168 103.8,15.168 103.8,9.168 97.8,9.168 ; 97.8,22.118 97.8,28.118 103.8,28.118 103.8,22.118 97.8,22.118
Mechanical 5:
  circle w0.254: c39.402,4.989 r0.003
  circle w0.254: c43.602,5.011 r0.003
Mechanical 18:
  circle w0.254: c100.8,12.168 r1.75
  circle w0.254: c100.8,25.118 r1.75
Mechanical 23:
  circle w0.254: c100.8,25.118 r1.75
  circle w0.254: c100.8,12.168 r1.75
  circle w0.254: c41.502,5 r3
  lines w0.254: 97.789,10.188 ccw(c98.805,10.189) 98.805,9.173 102.767,9.173 ccw(c102.767,10.189) 103.783,10.189 103.783,14.151 ccw(c102.767,14.151) 102.767,15.167 98.805,15.167 ccw(c98.805,14.151) 97.789,14.151 97.789,10.188 ; 97.789,23.138 ccw(c98.805,23.139) 98.805,22.123 102.767,22.123 ccw(c102.767,23.139) 103.783,23.139 103.783,27.101 ccw(c102.767,27.101) 102.767,28.117 98.805,28.117 ccw(c98.805,27.101) 97.789,27.101 97.789,23.138
Mechanical 24:
  lines w0.254: 113.987,45.705 cw(c110.901,45.705) 110.901,42.618 17,42.618 cw(c17,45.618) 14,45.618 14,75.618 cw(c17,75.618) 17,78.618 111,78.618 cw(c111,75.618) 114,75.618 114,45.705
Mechanical 25:
  lines w0.254: 97.8,9.168 103.8,9.168 103.8,15.168 97.8,15.168 97.8,9.168 ; 97.8,22.118 97.8,28.118 103.8,28.118 103.8,22.118 97.8,22.118

## Text inside footprints (layer, text, board x,y; h text height)
B1: Bottom Overlay "+" at 32.54,3.962 h2.54
C90: Top Overlay "+" at 6.477,44.247 h0.86 r270
C91: Top Overlay "+" at 6.68,52.908 h0.86 r270
J6: Bottom Overlay "-" at 72.921,29.88 h2.54; Bottom Overlay "+" at 49.911,29.058 h2.54; Bottom Overlay "+" at 49.835,18.593 h2.54; Bottom Overlay "-" at 70.053,25.552 h2.54